# Altium PCB EPS_V2.PcbDoc (part 3 of 4)
Units mm, origin at the board's own origin, x right, y up, seen from the top; angles counter-clockwise.
Board outline 95.89 x 90.17 mm, 6 copper layers (Top Layer, GND1, PWR, Signal, GND2, Bottom Layer), stack 1.42 mm thick; 407 components, 277 nets, 1440 pads, 305 vias.
Unrouted connection lines stored in the file: 313.
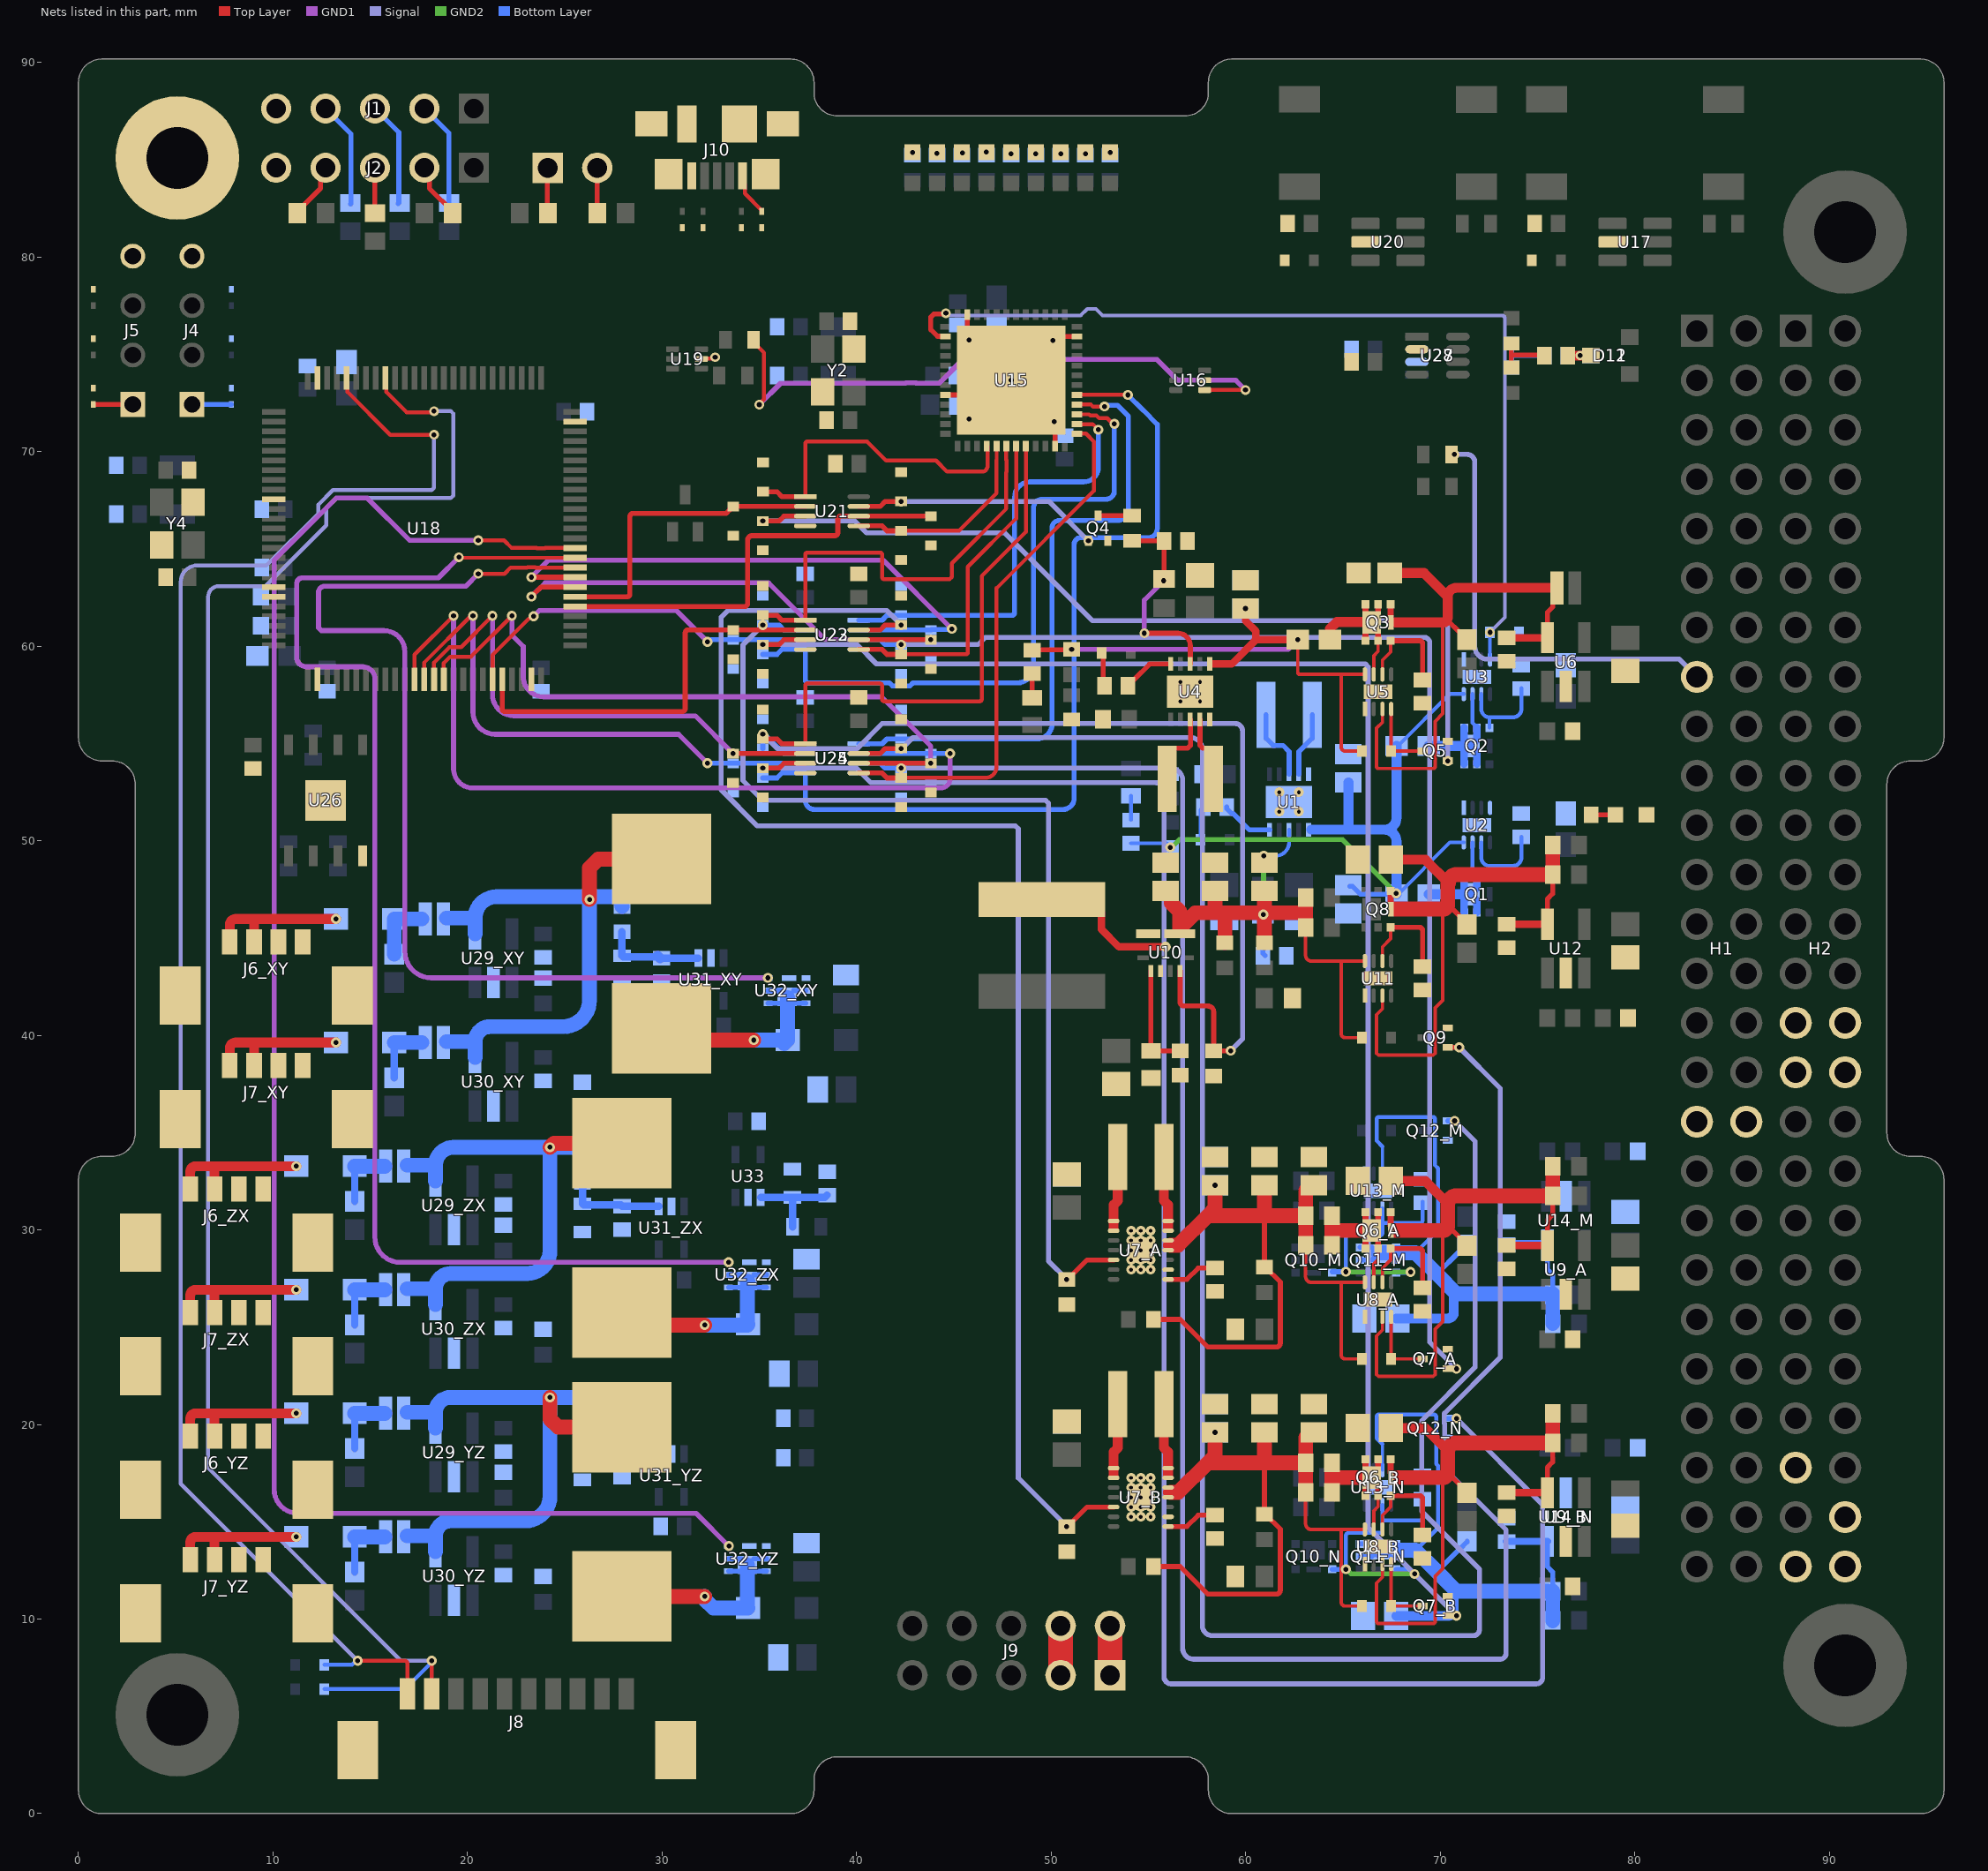
[diagram p7: the nets of this part, all layers, seen from the top]

## Via types
v1: diameter 0.508, hole 0.254, Top Layer to Signal, 73 vias
v2: diameter 0.508, hole 0.254, Top Layer to Bottom Layer, 52 vias
v3: diameter 0.508, hole 0.254, Top Layer to GND1, 48 vias
v4: diameter 0.5, hole 0.2, Top Layer to Bottom Layer, 38 vias
v5: diameter 0.508, hole 0.254, Signal to Bottom Layer, 27 vias
v6: diameter 0.508, hole 0.254, PWR to Bottom Layer, 18 vias
v7: diameter 0.508, hole 0.254, Top Layer to GND2, 12 vias
v8: diameter 0.508, hole 0.254, Top Layer to PWR, 11 vias
v9: diameter 0.508, hole 0.254, GND2 to Bottom Layer, 10 vias
v10: diameter 0.508, hole 0.254, GND1 to Bottom Layer, 9 vias
v11: diameter 0.483, hole 0.254, Top Layer to GND1, 5 vias
v12: diameter 0.483, hole 0.254, Top Layer to Bottom Layer, 2 vias

## Nets (pads, with @x,y where several pads share a name; then routed paths per layer and width w, separated by ;. In a path a pad name is that pad's centre, name@x,y a point inside that pad or via, vN(x,y) a via of type N, cw(c..) or ccw(c..) an arc to the next point about the centre after c; other vN are vias at no path point) (continued)
EN_3V3_1: Q7_A.1 R91.2 U22.3 | length 68.1
  Top Layer w0.254: Q7_A.1@70.383,22.868 70.387,22.864 70.825,22.864 v1(70.829,22.86)
  Signal w0.254: v5(42.291,60.075) 46.238,60.075 46.618,60.455 69.144,60.455 cw(c69.144,60.135) 69.464,60.135 69.464,24.225 v1(70.829,22.86)
  Bottom Layer w0.254: U22.3@40.111,60.329 41.21,60.329 41.464,60.075 v5(42.291,60.075)
EN_3V3_1_BUCK: R25_A.2 R90.2 U7_A.12 U22.7 | length 54.5
  Top Layer w0.254: R25_A.2@50.853,27.456 51.853,28.456 U7_A.12@53.21,28.456
  Signal w0.254: v5(35.179,61.083) 34.158,60.062 34.158,53.096 35.179,52.075 49.714,52.075 49.863,51.926 49.863,28.393 v1(50.8,27.456)
  Bottom Layer w0.254: v5(35.179,61.083) 36.006,61.083 36.26,60.829 U22.7@37.359,60.829
EN_3V3_1_BUCK_EPS: R87.2 U18.58 U22.2 | length 30.5
  Top Layer w0.254: v3(23.28,63.54) U18.58@25.53,63.54
  GND1 w0.254: v3(23.28,63.54) 24.154,64.414 26.584,64.414 41.362,64.414 v10(44.892,60.884)
  Bottom Layer w0.254: U22.2@40.111,60.829 43.826,60.829 43.853,60.857 44.864,60.857 v10(44.892,60.884)
EN_3V3_1_BUCK_SR: R86.2 U15.26 U22.1 | length 22.5
  Top Layer w0.203: U15.26@51.32,71.41 52.049,71.41 52.137,71.41 v2(52.428,71.119)
  Bottom Layer w0.254: U22.1@40.111,61.329 41.31,61.329 41.564,61.583 R86.2@42.291,61.583 47.974,61.583 ccw(c47.974,61.732) 48.123,61.732 48.123,67.66 cw(c48.902,67.66) 48.902,68.439 51.666,68.439 ccw(c51.666,69.201) 52.428,69.201 v2(52.428,71.119)
EN_3V3_1_EPS: R89.2 U18.45 U22.6 | length 19
  Top Layer w0.127: 23.15,61.41 23.168,61.41 23.295,61.537 v3(23.398,61.537)
  Top Layer w0.203: U18.45@21.28,58.29 21.28,59.54 23.15,61.41
  GND1 w0.254: v3(23.398,61.537) 23.401,61.537 23.698,61.834 26.584,61.834 30.721,61.834 v10(32.335,60.219)
  Bottom Layer w0.254: v10(32.335,60.219) 32.397,60.219 32.506,60.329 33.644,60.329 U22.6@37.359,60.329
EN_3V3_1_SR: R88.2 U15.27 U22.5 | length 34.7
  Top Layer w0.203: U15.27@51.32,71.91 51.952,71.91 52.008,71.854 52.322,71.854 52.46,71.716 52.871,71.716 53.167,71.421 v2(53.249,71.421)
  Bottom Layer w0.254: R88.2@35.179,59.575 35.906,59.575 36.16,59.829 U22.5@37.359,59.829 37.359,58.261 ccw(c37.508,58.261) 37.508,58.112 41.683,58.112 41.838,57.957 42.744,57.957 42.899,58.112 48.273,58.112 ccw(c48.273,58.93) 49.091,58.93 49.091,67.09 cw(c49.553,67.09) 49.553,67.553 52.821,67.553 ccw(c52.821,67.98) 53.249,67.98 v2(53.249,71.421)
EN_3V3_2: Q7_B.1 R97.2 U23.3 | length 85
  Top Layer w0.254: v1(35.179,60.075) 36.006,60.075 36.26,60.329 U23.3@37.359,60.329 ; Q7_B.1@70.383,10.168 v1(70.829,10.168)
  Signal w0.254: v1(35.179,60.075) 40.026,60.075 41.017,59.084 66.144,59.084 66.292,58.935 66.292,14.705 v1(70.829,10.168)
EN_3V3_2_BUCK: R25_B.2 R96.2 U7_B.12 U23.7 | length 76.6
  Top Layer w0.254: U23.7@40.111,60.829 41.21,60.829 41.464,61.083 v1(42.291,61.083) ; R25_B.2@50.853,14.756 51.853,15.756 U7_B.12@53.21,15.756
  Signal w0.254: v1(42.291,61.083) 41.545,61.829 33.381,61.829 33.035,61.482 33.035,52.621 34.891,50.764 48.157,50.764 48.306,50.616 48.306,17.25 v1(50.8,14.756)
EN_3V3_2_BUCK_EPS: R93.2 U18.46 U23.2 | length 21.2
  Top Layer w0.254: U18.46@21.78,58.29 21.78,56.786 ccw(c21.929,56.786) 21.929,56.637 31.038,56.637 ccw(c31.038,56.786) 31.187,56.786 31.187,60.68 cw(c31.336,60.68) 31.336,60.829 R93.2@33.655,60.829 ; R93.2@33.644,60.829 U23.2@37.359,60.829
EN_3V3_2_BUCK_SR: R92.2 U15.18 U23.1 | length 22.5
  Top Layer w0.203: U23.1@37.359,61.329 37.359,64.691 cw(c37.478,64.691) 37.478,64.81 41.19,64.81 cw(c41.19,64.691) 41.31,64.691 41.31,63.552 ccw(c41.429,63.552) 41.429,63.433 44.771,63.433 44.89,63.552 44.89,64.255 47.695,67.06 47.695,68.938 47.699,68.942 47.699,69.556 47.695,69.56 U15.18@47.695,70.285
  Top Layer w0.254: R92.2@35.179,61.583 35.906,61.583 36.16,61.329 U23.1@37.359,61.329
EN_3V3_2_EPS: R95.2 U18.57 U23.6 | length 28.2
  Top Layer w0.254: v3(23.28,62.54) 23.78,63.04 U18.57@25.53,63.04 ; U23.6@40.111,60.329 R95.2@43.826,60.329
  GND1 w0.254: v3(23.28,62.54) 23.994,63.254 26.584,63.254 35.474,63.254 38.399,60.329 v3(43.815,60.329)
EN_3V3_2_SR: R94.2 U15.19 U23.5 | length 17.4
  Top Layer w0.203: R94.2@42.291,59.575 45.598,59.575 ccw(c45.598,59.694) 45.717,59.694 45.717,64.078 48.195,66.556 U15.19@48.195,70.285
  Top Layer w0.254: U23.5@40.111,59.829 41.31,59.829 41.564,59.575 R94.2@42.291,59.575
EN_5V: Q9.1 R103.2 U24.3 | length 113.9
  Top Layer w0.254: Q9.1@70.383,39.378 v1(70.974,39.378)
  Signal w0.254: v5(42.291,53.725) 56.134,53.725 cw(c56.134,53.099) 56.76,53.099 56.76,8.492 ccw(c57.317,8.492) 57.317,7.935 73.075,7.935 ccw(c73.075,8.243) 73.382,8.243 73.382,14.572 70.22,17.735 70.22,20.042 70.207,20.054 70.207,20.57 73.075,23.437 73.075,37.277 v1(70.974,39.378)
  Bottom Layer w0.254: U24.3@40.111,53.979 41.21,53.979 41.464,53.725 v5(42.291,53.725)
EN_5V_BOOST: R36.1 R102.2 U10.7 U24.7 | length 52.2
  Top Layer w0.254: U10.7@56.63,43.3 56.63,41.703 ccw(c56.83,41.703) 56.83,41.503 58.055,41.503 cw(c58.055,41.205) 58.353,41.205 R36.1@58.353,39.204 v1(59.228,39.204)
  Signal w0.254: v5(35.179,55.483) 35.929,54.733 40.026,54.733 41.309,56.016 59.466,56.016 cw(c59.466,55.647) 59.835,55.647 59.835,39.811 v1(59.228,39.204)
  Bottom Layer w0.254: R102.2@35.179,54.733 v5(35.179,55.483) 35.248,55.483 35.379,55.351 35.388,55.351 36.26,54.479 U24.7@37.359,54.479
EN_5V_BOOST_EPS: R99.2 U18.37 U24.2 | length 44.2
  Top Layer w0.203: U18.37@17.28,58.29 17.28,59.558 v3(19.28,61.558)
  GND1 w0.254: v3(19.28,61.558) 19.28,53.705 ccw(c20.28,53.705) 20.28,52.705 44.314,52.705 ccw(c44.314,53.196) 44.805,53.196 v10@44.805,54.454
  Bottom Layer w0.254: U24.2@40.111,54.479 R99.2@43.815,54.479 v10@44.772,54.479
  other v10: 44.805,54.479
EN_5V_BOOST_SR: R98.2 U15.28 U24.1 | length 32.8
  Top Layer w0.203: U15.28@51.32,72.41 52.049,72.41 52.146,72.313 v2(52.74,72.313)
  Bottom Layer w0.254: U24.1@40.111,54.979 41.31,54.979 41.564,55.233 R98.2@42.291,55.233 49.271,55.233 ccw(c49.271,56.01) 50.048,56.01 50.048,66.085 cw(c50.423,66.085) 50.423,66.46 53.404,66.46 ccw(c53.404,67.026) 53.97,67.026 53.97,71.809 53.4,72.379 53.197,72.379 53.19,72.371 52.798,72.371 v2(52.74,72.313)
EN_5V_EPS: R101.2 U18.38 U24.6 | length 27.6
  Top Layer w0.127: v3@20.127,61.509 20.177,61.558 v3(20.28,61.558)
  Top Layer w0.203: U18.38@17.78,58.29 17.78,59.162 v3@20.127,61.509
  GND1 w0.254: v3@20.28,61.545 20.28,56.618 ccw(c21.429,56.618) 21.429,55.469 30.845,55.469 v10(32.335,53.979)
  Bottom Layer w0.254: v10@32.337,53.979 U24.6@37.359,53.979
EN_5V_SR: R100.2 U15.29 U24.5 | length 46
  Top Layer w0.203: U15.29@51.32,72.91 v1(53.94,72.91)
  Bottom Layer w0.254: R100.2@35.179,53.225 35.906,53.225 36.16,53.479 U24.5@37.359,53.479 37.359,52.075 ccw(c37.827,52.075) 37.827,51.607 50.603,51.607 ccw(c50.603,52.189) 51.185,52.189 51.185,65.242 cw(c51.516,65.242) 51.516,65.572 54.987,65.572 ccw(c54.987,66.039) 55.454,66.039 55.454,71.397 54.717,72.134 ; v1(53.94,72.91) 54.716,72.134
  other v5: 53.94,72.91
EN_MCU_3V3: Q5.1 R85.2 U21.3 | length 46.8
  Top Layer w0.254: v1(35.179,66.425) 36.006,66.425 36.26,66.679 U21.3@37.359,66.679 ; Q5.1@70.383,54.11 v1(70.394,54.1)
  Signal w0.254: v1@35.073,66.425 v1(35.179,66.425) 39.909,66.425 40.518,65.815 47.614,65.815 52.119,61.31 69.966,61.31 cw(c69.966,60.882) 70.394,60.882 v1(70.394,54.1)
EN_MCU_3V3_EPS: R83.2 U18.55 U21.6 | length 22.6
  Top Layer w0.254: U18.55@25.53,62.04 34.245,62.04 ccw(c34.245,62.189) 34.394,62.189 34.394,65.44 cw(c34.629,65.44) 34.629,65.675 38.882,65.675 ccw(c38.882,65.824) 39.031,65.824 39.031,66.53 cw(c39.18,66.53) 39.18,66.679 U21.6@40.111,66.679 R83.2@43.826,66.679
EN_MCU_3V3_SR: R82.2 U15.17 U21.5 | length 10.4
  Top Layer w0.191: 47.195,69.556 U15.17@47.195,70.285
  Top Layer w0.203: R82.2@42.291,65.925 45.256,65.925 47.195,67.864 47.195,69.556
  Top Layer w0.254: U21.5@40.111,66.179 41.31,66.179 41.564,65.925 R82.2@42.291,65.925
EN_MCU_BUCK: Q4.1 R84.2 U21.7 | length 12.7
  Top Layer w0.254: U21.7@40.111,67.179 41.21,67.179 41.464,67.433 v1(42.291,67.433)
  Signal w0.254: v1(42.291,67.433) 45.114,67.433 49.89,67.433 v1(51.913,65.41)
EN_MCU_BUCK_EPS: R81.2 U18.56 U21.2 | length 16.2
  Top Layer w0.254: U18.56@25.53,62.54 28.2,62.54 ccw(c28.2,62.689) 28.349,62.689 28.349,66.671 cw(c28.498,66.671) 28.498,66.82 33.296,66.82 33.482,67.006 33.482,67.056 33.605,67.179 U21.2@37.359,67.179
EN_MCU_BUCK_SR: R80.2 U15.16 U21.1 | length 16.3
  Top Layer w0.203: U21.1@37.359,67.679 37.359,70.397 cw(c37.478,70.397) 37.478,70.516 40.532,70.516 41.508,69.54 44.076,69.54 44.65,68.966 46.449,68.966 ccw(c46.449,69.242) 46.725,69.242 46.725,70.255 U15.16@46.695,70.285
  Top Layer w0.254: R80.2@35.179,67.933 35.906,67.933 36.16,67.679 U21.1@37.359,67.679
EN_UNREG1: Q12_M.1 R108.2 U25.7 | length 107.5
  Top Layer w0.254: U25.7@40.111,54.479 41.21,54.479 41.464,54.733 v1(42.291,54.733)
  Signal w0.254: v1(42.291,54.733) 42.329,54.733 42.896,55.299 57.16,55.299 cw(c57.16,54.681) 57.778,54.681 57.778,9.652 ccw(c58.286,9.652) 58.286,9.144 71.694,9.144 ccw(c71.694,9.469) 72.019,9.469 72.019,12.563 69.04,15.543 69.04,20.19 71.785,22.936 71.785,34.554 v5(70.737,35.602)
  Bottom Layer w0.254: Q12_M.1@70.383,35.602 v5@70.829,35.602
EN_UNREG1_EPS: R105.2 U18.39 U25.2 | length 31.6
  Top Layer w0.203: U18.39@18.28,58.29 18.28,59.159 19.075,59.954 19.676,59.954 v3(21.28,61.558)
  Top Layer w0.254: v3(33.644,54.479) U25.2@37.359,54.479
  GND1 w0.254: v3(21.28,61.558) 21.28,57.516 ; v3(33.644,54.479) 31.705,56.418 22.377,56.418 ; 21.28,57.516 ccw(c22.377,57.516) 22.377,56.418 ; 21.28,57.516 ccw(c22.377,57.516) 22.377,56.418 ; 21.28,57.516 ccw(c22.377,57.516) 22.377,56.418 ; 21.28,57.516 ccw(c22.377,57.516) 22.377,56.418
EN_UNREG1_SR: R104.2 U15.20 U25.1 | length 29.3
  Top Layer w0.203: U25.1@37.359,54.979 37.359,57.968 cw(c37.478,57.968) 37.478,58.087 41.19,58.087 cw(c41.19,57.968) 41.31,57.968 41.31,57.277 ccw(c41.429,57.277) 41.429,57.158 46.309,57.158 ccw(c46.309,57.277) 46.428,57.277 46.428,63.599 48.695,65.866 U15.20@48.695,70.285
  Top Layer w0.254: R104.2@35.179,55.233 35.906,55.233 36.16,54.979 U25.1@37.359,54.979
EN_UNREG2: Q12_N.1 R109.2 U25.3 | length 104.4
  Top Layer w0.254: v1(35.179,53.725) 36.006,53.725 36.26,53.979 U25.3@37.359,53.979
  Signal w0.254: v1(35.179,53.725) 39.995,53.725 40.741,52.979 55.339,52.979 cw(c55.339,52.523) 55.795,52.523 55.795,7.045 ccw(c56.173,7.045) 56.173,6.667 74.933,6.667 ccw(c74.933,6.996) 75.262,6.996 75.262,15.88 v5(70.829,20.312)
  Bottom Layer w0.254: Q12_N.1@70.383,20.312 v5(70.829,20.312)
EN_UNREG2_EPS: R107.2 U18.40 U25.6 | length 35.9
  Top Layer w0.203: U18.40@18.78,58.29 18.78,59.125 19.112,59.457 20.179,59.457 v3(22.28,61.558)
  Top Layer w0.254: U25.6@40.111,53.979 R107.2@43.826,53.979
  GND1 w0.254: v3(22.28,61.558) 22.28,60.57 22.863,59.988 22.863,58.445 ccw(c23.911,58.445) 23.911,57.396 26.584,57.396 41.272,57.396 43.815,54.853 v3(43.815,53.979)
EN_UNREG2_SR: R106.2 U15.25 U25.5 | length 27.3
  Top Layer w0.203: R106.2@42.291,53.225 46.606,53.225 ccw(c46.606,53.814) 47.195,53.814 47.195,62.979 52.187,67.971 52.187,70.516 51.992,70.712 51.992,70.721 51.796,70.917 U15.25@51.37,70.917
  Top Layer w0.254: U25.5@40.111,53.479 41.31,53.479 41.564,53.225 R106.2@42.291,53.225
EPS_2_OBC: H1.15 R66.1 | length 22.9
  Signal w0.254: v1(70.725,69.85) 71.377,69.85 cw(c71.377,69.453) 71.774,69.453 71.774,59.982 ccw(c72.421,59.982) 72.421,59.334 82.276,59.334 H1.15@83.19,58.42
EPS_2_SR: R65.1 U16.1 | length 32.4
  Top Layer w0.203: R65.1@34.705,75.74 34.705,75.615 35.236,75.083 35.236,72.681 34.996,72.441 v3(34.996,72.41) ; U16.1@57.89,73.16 v3(59.988,73.16)
  GND1 w0.254: v3(34.996,72.41) 36.096,73.51 42.515,73.51 42.537,73.532 43.053,73.532 43.066,73.519 43.075,73.51 44.242,73.51 45.464,74.732 52.049,74.732 55.432,74.732 56.504,73.66 59.488,73.66 v3(59.988,73.16)
GND: C1.1 C2.1 C3.2 C6.2 C7.2 C8.2 C9.2 C10.2 C11.2 C12.1 C13.1 C14.2 C17.2 C18.2 C19.2 C20.2 C21.2 C22.1 C23_A.1 C23_B.1 C24_A.1 C24_B.1 C25_A.2 C25_B.2 C26_A.2 C26_B.2 C27_A.2 C27_B.2 C28_A.2 C28_B.2 C29_A.2 C29_B.2 C30_A.2 C30_B.2 C31_A.1 C31_B.1 C32_A.2 C32_B.2 C33_A.1 C33_B.1 C34.1 C35.1 C36.1 C37.2 C38.2 C39.2 C40.2 C41.1 C42.2 C43.1 C44_M.2 C44_N.2 C45_M.1 C45_N.1 C46_M.2 C46_N.2 C47_M.1 C47_N.1 C48.2 C49.2 C50.2 C51.1 C52.2 C53.2 C54.2 C55.2 C56.2 C57.2 C58.2 C59.2 C60.2 C61.2 C62.2 C63.2 C64.2 C65.2 C66.2 C67.2 C68.2 C69.2 C70.2 C71.2 C72.1 C73.1 C74.1 C75.1 C77.1 C78.2 C79.2 C80.2 C81.2 C82.2 C83_XY.2 C83_YZ.2 C83_ZX.2 C85_XY.2 C85_YZ.2 C85_ZX.2 C87_XY.2 C87_YZ.2 C87_ZX.2 C88.2 C89.2 C90.2 C91.2 C92.2 C93.2 C94.2 C95.2 C96.2 C97.2 C98.2 C104_XY.2 C104_YZ.2 C104_ZX.2 D6.2 D7.2 D8.2 D10.1 D11.3 D12.3 D17.2 D18.2 D19.2 D20.2 D21.2 D22.2 D23.2 H1.33 H1.34 H2.29 H2.30 H2.31 H2.32 H2.50 H2.52 J1.5 J2.5 J4.4 J5.4 J6_XY.3 J6_XY.4 J6_XY.5 J6_XY.6 J6_YZ.3 J6_YZ.4 J6_YZ.5 J6_YZ.6 J6_ZX.3 J6_ZX.4 J6_ZX.5 J6_ZX.6 J7_XY.3 J7_XY.4 J7_XY.5 J7_XY.6 J7_YZ.3 J7_YZ.4 J7_YZ.5 J7_YZ.6 J7_ZX.3 J7_ZX.4 J7_ZX.5 J7_ZX.6 J8.11 J8.12 J9.1 J9.2 J9.3 J9.4 J10.5 J10.6 J10.7 J10.8 J10.9 J10.10 J10.11 pad.1 Q4.2 Q5.2 Q7_A.2 Q7_B.2 Q9.2 Q12_M.2 Q12_N.2 R2.1 R5.1 R9.2 R12.1 R15.1 R24.2 R25_A.1 R25_B.1 R27_A.1 R27_B.1 R35_A.2 R35_B.2 R36.2 R37.1 R39.1 R48.2 R57_M.2 R57_N.2 R60.1 R67.1 R80.1 R81.1 R82.1 R83.1 R84.1 R85.1 R86.1 R87.1 R88.1 R89.1 R90.1 R91.1 R92.1 R93.1 R94.1 R95.1 R96.1 R97.1 R98.1 R99.1 R100.1 R101.1 R102.1 R103.1 R104.1 R105.1 R106.1 R107.1 R108.1 R109.1 R119_XY.2 R119_YZ.2 R119_ZX.2 R122_XY.2 R122_YZ.2 R122_ZX.2 R124_XY.2 R124_YZ.2 R124_ZX.2 R126.2 U1.5 U1.11 U2.1 U2.4 U2.9 U3.1 U3.9 U4.5 U4.11 U5.1 U5.9 U6.2 U7_A.2 U7_A.15 U7_B.2 U7_B.15 U8_A.1 U8_A.9 U8_B.1 U8_B.9 U9_A.2 U9_B.2 U10.1 U10.5 U11.1 U11.9 U12.2 U13_M.1 U13_M.9 U13_N.1 U13_N.9 U14_M.2 U14_N.2 U15.8 U15.23 U15.35 U15.47 U15.49 U16.2 U17.2 U18.10 U18.19 U18.20 U18.27 U18.49 U18.74 U18.99 U19.2 U20.2 U21.4 U22.4 U23.4 U24.4 U25.4 U26.4 U26.9 U27.2 U28.2 U29_XY.2 U29_YZ.2 U29_ZX.2 U30_XY.2 U30_YZ.2 U30_ZX.2 U31_XY.2 U31_YZ.2 U31_ZX.2 U32_XY.4 U32_XY.7 U32_YZ.4 U32_YZ.7 U32_ZX.4 U32_ZX.7 U33.2 Y2.2 Y2.4 Y4.2 Y4.4 | length 15.8
  Top Layer w0.203: U19.2@32.02,74.763 32.027,74.77 32.582,74.77 32.655,74.843 v12(32.73,74.843)
  Top Layer w0.254: U15.8@44.57,72.91 47.195,72.91 v11(47.945,73.66) ; U15.47@45.695,77.035 45.695,75.832 v11(45.787,75.74) ; v11(50.083,75.712) 50.281,75.91 U15.35@51.32,75.91 ; v11(50.16,71.531) 50.195,71.497 U15.23@50.195,70.285
  Top Layer w0.508: C82.2@76.546,74.93 D12.3@77.74,74.93
  Top Layer w1.27: J9.3@50.485,7.112 J9.4@50.485,9.652 ; J9.1@53.025,7.112 J9.2@53.025,9.652
  Bottom Layer w0.254: C80.2@76.546,74.93 D11.3@77.74,74.93
  other v4: 54.11,15.256 54.61,15.256 55.11,15.256 54.11,15.756 54.61,15.756 55.11,15.756 54.11,16.256 54.61,16.256 55.11,16.256 54.11,16.756 54.61,16.756 55.11,16.756 54.11,17.256 54.61,17.256 55.11,17.256 54.11,27.956 54.61,27.956 55.11,27.956 54.11,28.456 54.61,28.456 55.11,28.456 54.11,28.956 54.61,28.956 55.11,28.956 54.11,29.456 54.61,29.456 55.11,29.456 54.11,29.956 54.61,29.956 55.11,29.956 61.73,51.491 62.73,51.491 61.73,52.491 62.73,52.491 56.65,57.158 57.65,57.158 56.65,58.158 57.65,58.158
  other v11: 45.787,71.667
  other v12: 77.19,74.93
I2C1_SCL: J8.2 R128.1 U18.92 | length 92.5
  Top Layer w0.203: U18.92@15.78,73.79 15.825,73.745 15.825,73.064 16.867,72.022 18.227,72.022 v1(18.28,72.075) ; J8.2@18.155,6.157 v2(18.155,7.859)
  Signal w0.203: v2(18.155,7.859) 16.573,7.859 6.667,17.764 6.667,62.54 cw(c7.202,62.54) 7.202,63.075 8.276,63.075 9.61,63.075 12.743,66.208 12.743,67.1 13.252,67.609 19.142,67.609 19.261,67.728 19.261,71.956 19.142,72.075 v1(18.28,72.075)
  Bottom Layer w0.203: R128.1@12.643,6.395 16.774,6.395 18.155,7.776 v2(18.155,7.859)
I2C1_SDA: J8.1 R129.1 U18.96 | length 89.4
  Top Layer w0.203: U18.96@13.78,73.79 13.825,73.745 13.825,73.064 16.028,70.861 v1(18.28,70.861) ; v2(14.355,7.859) 16.755,7.859 cw(c16.755,7.709) 16.905,7.709 J8.1@16.905,6.157
  Signal w0.203: v2(14.355,7.859) 5.26,16.953 5.26,63.299 cw(c6.106,63.299) 6.106,64.145 8.276,64.145 9.657,64.145 12.337,66.824 12.337,67.268 13.084,68.016 18.161,68.016 18.28,68.135 v1(18.28,70.861)
  Bottom Layer w0.203: R129.1@12.643,7.645 12.649,7.65 14.064,7.65 14.272,7.859 v2(14.355,7.859)
KS_OPEN: H2.51
Mppt_PWM1: U18.59 U32_XY.3 | length 55.6
  Top Layer w0.203: v1(20.549,63.719) 21.902,63.719 22.223,64.04 23.062,64.04 23.07,64.048 23.49,64.048 23.498,64.04 U18.59@25.53,64.04
  GND1 w0.254: v1(20.549,63.719) 19.905,63.075 12.653,63.075 ccw(c12.653,62.761) 12.339,62.761 12.339,60.947 12.488,60.798 15.697,60.798 cw(c15.697,59.72) 16.774,59.72 16.774,44.317 ccw(c18.14,44.317) 18.14,42.951 35.377,42.951 v10@35.425,42.903
  other v10: 35.436,42.951
Mppt_PWM2: U18.60 U32_ZX.3 | length 71
  Top Layer w0.203: v1(19.558,64.567) 19.585,64.54 U18.60@25.53,64.54
  GND1 w0.254: v1(19.558,64.567) 18.498,63.507 11.507,63.507 ccw(c11.507,63.221) 11.221,63.221 11.221,59.422 ccw(c11.704,59.422) 11.704,58.94 14.613,58.94 cw(c14.613,58.321) 15.232,58.321 15.232,29.644 ccw(c16.551,29.644) 16.551,28.326 33.413,28.326 v10(33.421,28.334)
Mppt_PWM3: U18.61 U32_YZ.3 | length 90.4
  Top Layer w0.203: v1(20.549,65.44) 21.872,65.44 22.272,65.04 23.551,65.04 23.559,65.032 23.98,65.032 23.988,65.04 U18.61@25.53,65.04
  GND1 w0.254: v1(20.549,65.44) 17.016,65.44 14.847,67.609 13.252,67.609 10.057,64.414 10.057,57.236 10.057,16.667 ccw(c11.29,16.667) 11.29,15.433 31.753,15.433 v10(33.437,13.749)
nCubeReset: H2.47
nEN_EPS_3V3: R9.1 U3.4 U15.2 | length 49.4
  Top Layer w0.191: U15.2@44.557,75.923 U15.2@44.57,75.91
  Top Layer w0.254: U15.2@44.557,75.923 44.156,75.923 43.815,76.264 43.815,76.913 43.964,77.061 44.539,77.061 v1(44.588,77.11)
  Signal w0.191: v1(44.588,77.11) 44.674,77.11 44.793,76.991 51.512,76.991 51.858,77.337 52.049,77.337 52.294,77.337 52.64,76.991 73.171,76.991 cw(c73.171,76.835) 73.327,76.835 73.327,61.476 v5(72.557,60.706)
  Bottom Layer w0.191: U3.4@72.557,59.308 v5(72.557,60.706)
NetC3_1: C3.1 R1.1 U1.8 | length 7.5
  GND2 w0.254: v9(60.902,46.205) 60.916,46.219 60.916,49.212 v9(60.93,49.226)
  Bottom Layer w0.191: v9(60.93,49.226) 61.541,49.226 ccw(c61.541,49.915) 62.23,49.915 U1.8@62.23,50.566